# KiCad board PC110.kicad_pcb (continued)
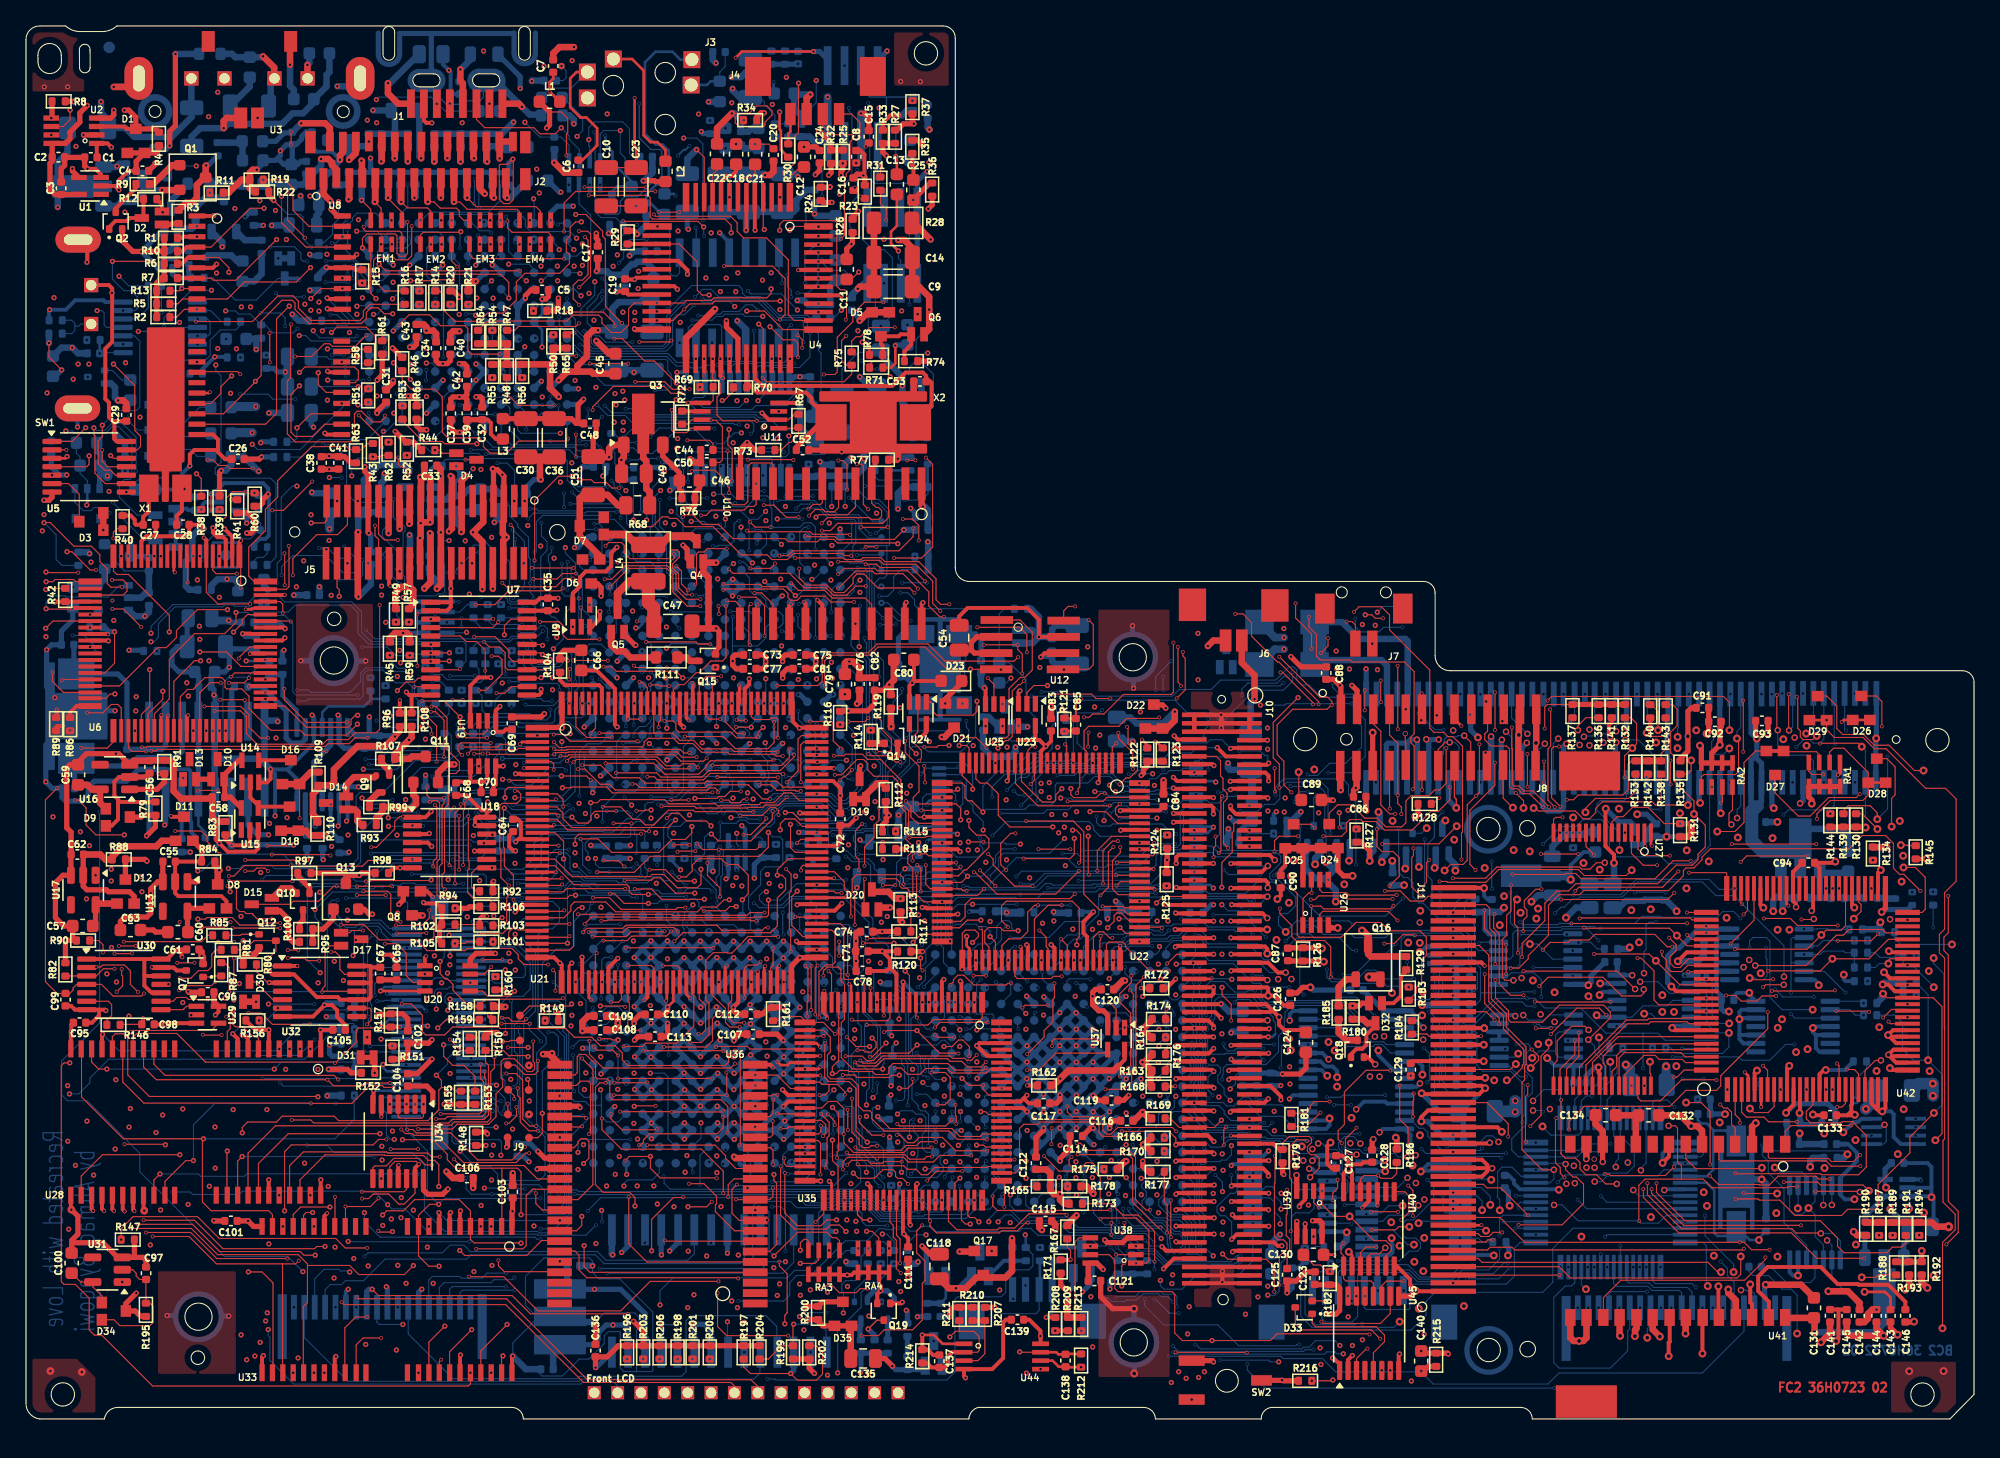
[diagram p0: board, top side]
## Routing (per net, layer and track width the routed paths; a pad name or vN(x,y) marks a point on that pad's centre or on a via; arc(x,y) is an arc through that point) (continued)
SD1: length 259.1
  FC2 w0.08: U36.19 57.29,23.3 57.54,23.55 57.54,24.59 v3(57.56,24.61) ; v3(140.25,26.93) 140.83,26.93 141.15,26.61 U42.21 ; v1(67.27,26.49) 66.67,26.49 66.5,26.32 64,26.32 63.81,26.51 v3(62.91,26.51) ; 109.93,36.48 111.95,36.48 112.67,35.76 112.67,32.16 113.8,31.03 113.8,30.04 115.37,28.47 115.37,27.37 115.25,27.25 115.25,27.06 114.29,26.1 v2(114.06,26.1) ; U22.47 71.99,38.35 72.34,38.7 72.34,39.64 72.8,40.1 80.42,40.1 v3(80.78,40.46) ; v3(61.18,26.47) 61.16,26.47
  FC2 w0.2: 61.16,26.47 60.01,26.47 U35.34
  FC2 w0.3: v1(59.6,46.71) 59.64,46.67 U21.95
  FC1 w0.08: v3(140.25,26.93) 140.25,27.63 140,27.88 140,29.44 137.9,31.54 v2(137.62,31.54) ; v1(83.04,46.11) 83.04,44.19 82.28,43.43 81.11,43.43 80.77,43.09 80.77,40.47 v3(80.78,40.46) ; v3(62.91,26.51) 62.57,26.17 61.89,26.17 ; 61.89,26.17 61.48,26.17 v3(61.18,26.47) ; 61.89,26.17 61.89,24.94 62.63,24.2 62.63,23.66 62.15,23.18 60.97,23.18 59.54,24.61 v3(57.56,24.61)
  IC1 w0.08: v1(83.04,46.11) 83.04,46.97 82.65,47.36 74.61,47.36 74.32,47.65 71.85,47.65 71.43,47.23 60.12,47.23 v1(59.6,46.71)
  IC2 w0.08: v1(67.27,26.49) 65.21,26.49 64.7,27 60.31,27 58.88,28.43 58.88,42.89 56.76,45.01 56.76,46.57 57.5,47.31 59,47.31 v1(59.6,46.71)
  IC4 w0.08: v1(59.6,46.71) 59.59,46.72 59.59,47.49 59.74,47.64 59.74,52.46 58.99,53.21 58.99,62.99 58.79,63.19 58.79,64.26 59.44,64.91 59.44,70.51 56.76,73.19 v1(56.76,75.61)
  BC1 w0.08: v1(67.27,26.49) 68.93,26.49 v7(69.25,26.81) ; 118.84,28.63 118.35,28.63 118.01,28.29 115.87,28.29 115.56,27.98 115.56,27.44 115.46,27.34 115.46,26.94 114.62,26.1 v2(114.06,26.1) 114.06,26.92 112.69,28.29 112.2,28.29 111.66,28.83 v7(111.19,28.83) 109.51,28.83 109.1,29.24 109.1,30.69 109.15,30.74 109.15,33.38 108.76,33.77 108.41,33.77 107.26,34.92 105.14,34.92 103.63,36.43 102.37,36.43 101.87,36.93 101.87,39.76 101.08,40.55 101.08,43.3 100.55,43.83 96.67,43.83 96.4,44.1 95.42,44.1 95.04,44.48 95.04,47.25 94.31,47.98 v7(93.64,47.98) ; 118.84,28.63 119.14,28.63 119.31,28.8 119.8,28.8 120.31,28.29 123.12,28.29 123.17,28.34 125.56,28.34 125.79,28.57 125.79,28.88 126.01,29.1 127,29.1 v7(127.56,28.54) ; 118.84,28.63 118.83,28.62 118.83,23.23 v7(118.8,23.2) ; v7(129.55,28.55) 129.55,30.11 128.99,30.67 128.99,35.97 129.32,36.3 v7(132.76,36.3) ; v7(69.18,27.88) 69.18,28.56 69.13,28.61 v7(69.13,29.41) ; v7(56.43,49.05) 56.43,49.67 56.65,49.89 57.74,49.89 58.5,49.13 59.15,49.13 59.37,48.91 59.37,47.76 59.6,47.53 v1(59.6,46.71) ; v1(56.76,75.61) 56.77,75.6 v7(56.77,72.71)
  BC2 w0.08: v7(69.25,26.81) 69.25,27.16 69.18,27.23 v7(69.18,27.88) ; v1(83.04,46.11) 83.04,46.76 83.78,47.5 84.96,47.5 85.08,47.38 87.86,47.38 88.03,47.21 88.66,47.21 89.1,47.65 91,47.65 91.18,47.47 91.87,47.47 92.38,47.98 v7(93.64,47.98) ; v7(129.55,28.55) 127.57,28.55 v7(127.56,28.54) ; v2(137.62,31.54) 135.27,31.54 134.33,32.48 134.33,36.83 134.06,37.1 133.02,37.1 132.76,36.84 v7(132.76,36.3) ; U49.4 56.79,72.73 v7(56.77,72.71) ; U74.L1 69.16,29.44 v7(69.13,29.41)
SD2: length 257.7
  FC2 w0.08: U35.35 61.14,25.96 61.32,25.78 61.85,25.78 ; U36.21 57.41,24.9 57.49,24.98 v3(57.88,24.98) ; v3(65.02,27.9) 65.18,27.9 v1(66.25,28.97) ; v3(129.7,18.73) 130.36,18.07 133.47,18.07 133.51,18.03 134.28,18.03 134.96,18.71 137.86,18.71 138.08,18.49 v3(138.92,18.49) ; v1(58.49,46.73) 59.05,46.73 59.61,46.17 U21.94 ; v1(73.55,38.44) 72.5,38.44 71.91,37.85 U22.48 ; 61.85,25.78 61.85,25.26 61.55,24.96 v3(61.13,24.96) ; 61.85,25.78 62.51,25.78 63.07,25.22 v3(63.07,24.99) ; v2(127.87,24.38) 129.03,24.38 129.72,23.69 v3(129.72,19.61) ; U42.19 140.15,24.31 139.88,24.04 v3(139.5,24.04)
  FC1 w0.08: v2(116.47,39.33) 116.82,38.98 116.82,38.38 115.36,36.92 111.34,36.92 111.16,36.74 109.62,36.74 109.45,36.91 109.45,37.44 109.74,37.73 v3(109.93,37.73) ; v3(63.07,24.99) 63.07,24.71 63.38,24.4 63.84,24.4 64.16,24.72 64.16,26.18 65.02,27.04 v3(65.02,27.9) ; v3(57.88,24.98) 61.11,24.98 v3(61.13,24.96) ; v3(129.7,18.73) 129.7,19.59 v3(129.72,19.61) ; v3(139.5,24.04) 138.96,23.5 138.96,18.53 v3(138.92,18.49)
  IC1 w0.08: v2(127.87,24.38) 126.63,23.14 119,23.14 117.63,24.51 v4(116.08,24.51)
  IC2 w0.08: v1(73.55,38.44) 73.62,38.37 73.62,33.33 70.7,30.41 v1(70.7,30.04) ; v1(57.86,75.55) 57.91,75.55 61.66,71.8 64.01,71.8 64.53,71.28 64.53,69.46 64.93,69.06 64.93,50.75 64.83,50.65 64.83,49.75 64.71,49.63 64.71,46.9 v1(64.6,46.79)
  IC3 w0.08: v1(70.7,30.04) 70.7,29.48 69.68,28.46 66.91,28.46 66.9,28.45 66.85,28.45 66.33,28.97 v1(66.25,28.97)
  IC4 w0.08: v1(66.25,28.97) 66.25,28.42 66.64,28.03 68.54,28.03 69.07,28.56 69.07,31.74 68.39,32.42 68.39,35.89 67.8,36.48 67.8,37.34 67,38.14 67,40.96 65.21,42.75 65.21,45.31 64.6,45.92 v1(64.6,46.79)
  BC1 w0.08: v7(108.86,37.05) 108.86,38.17 v7(109.57,38.88) ; v1(58.49,46.73) 58.49,47.85 58.62,47.98 58.62,48.69 57.79,49.52 v7(56.78,49.52) ; v7(101.17,32.5) 101.17,34.78 100.23,35.72 98.69,35.72 97.86,36.55 97.86,40.14 v7(96.12,41.88) ; v7(74.18,41.25) 73.88,40.95 73.88,38.77 v1(73.55,38.44) ; v7(56.84,71.51) 57.35,72.02 57.35,73.65 57.25,73.75 57.25,74.94 v1(57.86,75.55) ; v2(116.47,39.33) 115.75,39.33 115.6,39.48 114.44,39.48 114.08,39.84 111.23,39.84 v7(110.71,40.36) ; v7(105.98,34.24) 106.06,34.16 106.06,32.08 105.7,31.72 104.06,31.72 103.88,31.54 v7(103.88,31.08) 104.56,31.08 105.86,29.78 105.86,28.62 106.33,28.15 110.86,28.15 v7(111.19,27.82) 110.76,27.39 110.76,26.51 110.99,26.28 111.36,26.28 111.54,26.1 111.54,25.16 113.62,23.08 114.89,23.08 115.24,23.43 115.24,23.85 115.9,24.51 v4(116.08,24.51)
  BC2 w0.08: U49.5 56.2,71.74 56.42,71.51 v7(56.84,71.51) ; v7(108.86,37.05) 108.44,37.05 108.24,37.25 106.25,37.25 105.92,36.92 105.92,34.3 v7(105.98,34.24) ; v7(103.88,31.08) 102.46,32.5 v7(101.17,32.5) ; v7(96.12,41.88) 96.12,41.89 96.87,42.64 96.87,43.55 96.61,43.81 92.09,43.81 91.63,44.27 91.63,44.73 91.93,45.03 91.93,46.79 91.57,47.15 89.3,47.15 88.91,46.76 88.91,44.29 88.66,44.04 87.18,44.04 85.84,42.7 83.33,42.7 83.16,42.53 80.88,42.53 80.16,43.25 76.28,43.25 74.28,41.25 v7(74.18,41.25) ; v4(116.08,24.51) 116.08,24.55 116.91,25.38 117.97,25.38 118.2,25.15 U67.1 ; 71.3,29.44 71.3,29.44 v1(70.7,30.04) ; v7(110.71,40.36) 110.2,39.85 110.2,39.51 v7(109.57,38.88) ; v1(58.49,46.73) 59.09,46.73 59.54,46.28 60.13,46.28 60.32,46.09 63.19,46.09 63.89,46.79 v1(64.6,46.79)
  BC2 w0.4: v7(56.78,49.52) 56.78,49.78 U61.L15
SD3: length 444.5
  FC2 w0.08: v3(45.61,28.01) 45.2,28.42 43.98,28.42 v3(43.72,28.68) ; U35.36 58.89,25.46 57.85,26.5 v3(56.17,26.5) ; v3(52.87,26.23) 52.86,26.24 v3(45.61,26.24) ; v3(139.49,27.39) 139.65,27.23 U42.18 ; v1(68.33,36.74) 68.95,37.35 U22.49 ; 109.93,11.08 118.09,11.08 v3(118.1,11.09) ; U21.93 59.8,45.67 59.23,46.24 58.47,46.24 58.1,45.87 v1(58.1,45.4) ; v3(134.57,33.89) 134.53,33.85 132.9,33.85 v2(132.77,33.98)
  FC1 w0.08: v3(118.1,11.09) 118.1,11.05 119.93,9.22 126.23,9.22 127.83,10.82 131.68,10.82 132.82,11.96 135.15,11.96 135.82,12.63 135.82,16.38 136.42,16.98 137.86,16.98 138.35,17.47 138.35,18.34 137.97,18.72 137.97,22.39 138.41,22.83 138.41,23.67 139.64,24.9 139.64,26.05 139.49,26.2 v3(139.49,27.39) 139.49,29.05 137.78,30.77 137.43,30.77 137.02,31.17 137.02,33.35 135.75,34.62 135.17,34.62 134.57,34.02 v3(134.57,33.89) ; v3(45.61,26.24) v3(45.61,28.01) ; v1(39.79,31.37) 39.79,31.07 39.69,30.97 39.69,30.32 39.79,30.22 39.79,29.24 40.02,29.01 43,29.01 43.33,28.68 v3(43.72,28.68) ; v3(52.87,26.23) 55.9,26.23 v3(56.17,26.5)
  IC1 w0.08: v1(39.79,31.37) 39.27,31.37 39.04,31.14 30.88,31.14 27.69,34.33 23.48,34.33 22.45,35.36 16.98,35.36 16.15,36.19 16.15,37.8 16.26,37.91 37.89,37.91 38.63,37.17 43.05,37.17 44.02,36.2 65.15,36.2 65.48,36.53 66.3,36.53 66.67,36.16 67.76,36.16 v1(68.33,36.74)
  IC2 w0.08: v1(68.33,36.74) 68.75,36.74 69.44,36.04 69.44,35.32 69.03,34.91 67.21,34.91 66.94,34.64 63.71,34.64 60.29,38.06 60.29,42.2 58.1,44.39 v1(58.1,45.4)
  IC4 w0.08: v1(59.42,85.46) 60.11,84.77 60.11,65.79 61.3,64.6 61.3,56.24 61.01,55.95 61.01,41.91 60.56,41.46 59.03,41.46 58.83,41.66 58.83,44.67 v1(58.1,45.4)
  BC1 w0.08: v7(98.15,45.68) 97.75,46.08 v7(97.75,47.53) ; v7(116.29,21.3) 116.29,21.86 115.28,22.87 v7(115.27,22.87) ; v7(98.72,48.34) v7(98.72,49.66) ; v7(132.06,38.58) 132.06,38.28 v7(134.03,36.31) ; v7(55.61,86.93) 55.24,86.93 54.88,87.29 54.58,87.29 53.68,86.39 53.13,86.39 52.52,85.78 52.52,82.15 52.7,81.97 52.7,80.45 52.46,80.21 52.46,79.46 52.69,79.23 52.7,79.23 52.7,76.19 53.11,75.78 53.3,75.78 55.52,73.56 v7(55.52,72.72) ; v7(111.19,29.84) 111.44,30.09 111.44,31.94 110.72,32.66 110.72,33.14 110.89,33.31 111.77,33.31 111.97,33.11 113.69,33.11 113.91,33.33 113.91,35.56 113.17,36.3 113.17,37.28 ; v7(70.77,32.41) 70.77,33.35 71.13,33.71 71.13,34.9 70.79,35.24 v7(70.79,36.9) 69.21,36.9 68.98,37.13 68.73,37.13 v1(68.33,36.74) ; v7(76.92,48.07) 76.92,47.6 77.06,47.46 77.06,43.42 76.61,42.97 v7(76.61,41.23) 76.6,41.22 v7(76.6,40.41) ; v7(115.08,38.28) 115.08,38.25 114.11,37.28 113.17,37.28 ; v7(76.08,48.4) 76.08,49.26 76.63,49.81 76.63,52.08 76.42,52.29 76.42,55.07 77.05,55.7 v7(77.46,55.7) ; v1(58.1,45.4) 58.08,45.4 57.85,45.63 57.85,48.46 57.43,48.88 v7(57.01,48.88) ; v7(106.07,40.11) 106.08,40.1 109.17,40.1 110.01,39.26 110.01,38.08 110.81,37.28 113.17,37.28
  BC2 w0.08: v7(132.06,38.58) 131.53,39.11 130.7,39.11 130.25,38.66 125.94,38.66 125.87,38.73 124.46,38.73 123.92,38.19 118.09,38.19 117.99,38.09 115.27,38.09 v7(115.08,38.28) ; v7(134.03,36.31) 134.03,35.5 134.1,35.43 134.1,34.14 133.82,33.86 133.3,33.86 133.18,33.98 v2(132.77,33.98) ; v7(55.52,72.72) 55.53,72.73 55.55,72.73 ; v7(115.27,22.87) 115.27,23.24 115.41,23.38 115.41,25.75 114.37,26.79 112.21,26.79 111.76,27.24 111.76,29.73 111.65,29.84 v7(111.19,29.84) ; v7(106.07,40.11) 104.71,38.75 99.66,38.75 96.87,41.54 96.87,42.26 97.1,42.49 97.1,43.51 98.15,44.56 v7(98.15,45.68) ; v7(77.46,55.7) 88.3,55.7 88.82,56.22 91.3,56.22 92.02,56.94 96.26,56.94 97.28,57.96 97.64,57.96 97.89,57.71 97.89,56.93 98.26,56.56 98.83,56.56 99.77,55.62 102.16,55.62 102.42,55.36 102.42,53.84 102.88,53.38 102.88,51.76 101.65,50.53 100.42,50.53 99.48,49.59 98.79,49.59 v7(98.72,49.66) ; v7(76.08,48.4) 76.41,48.07 v7(76.92,48.07) ; v7(55.61,86.93) 55.84,86.7 58.18,86.7 v1(59.42,85.46) ; v7(57.01,48.88) 57.01,49.17 57.22,49.38 57.22,49.83 57.13,49.92 57.13,50.69 56.37,51.45 ; v7(98.72,48.34) 98.15,48.34 97.75,47.94 v7(97.75,47.53) ; U74.M1 70.52,30.71 70.75,30.94 70.75,32.39 v7(70.77,32.41) ; v7(76.61,41.23) 77.66,41.23 78.47,42.04 83.87,42.04 83.98,42.15 86.51,42.15 87.05,42.69 87.05,43.42 87.49,43.86 88.88,43.86 89.15,44.13 89.15,46.49 89.31,46.65 U59.28 ; v7(70.79,36.9) 70.83,36.94 70.83,39.65 71.62,40.44 76.57,40.44 v7(76.6,40.41)
SD4: length 353.8
  FC2 w0.08: 109.93,12.38 111.84,12.38 112.15,12.07 129.56,12.07 130.31,11.32 v2(130.56,11.32) ; v3(57.97,46.55) 57.97,46.87 57.71,47.13 57.33,47.13 56.7,46.5 v3(55.02,46.5) ; v3(54.06,22.06) 54.06,24.07 53.53,24.6 45.15,24.6 44.97,24.78 44.97,26.01 44.82,26.16 44.82,26.21 44.02,26.21 43.87,26.36 43.87,27.33 43.11,28.09 42.64,28.09 42.46,27.91 42.46,26.68 42.28,26.5 U36.26 ; v1(72.91,36.72) 73.36,37.17 73.36,37.41 73.1,37.67 72.36,37.67 72.12,37.43 72.12,35.34 72.1,35.32 v3(72.1,34.64) ; v1(55.86,53.3) 55.85,53.31 v3(54.7,53.31) ; U35.39 61.3,23.96 61.81,24.47 62.46,24.47 62.99,23.94 v3(62.99,21.95) 62.99,21.29 63.75,20.54 67.61,20.54 67.95,20.87 69.71,20.87 v3(69.76,20.92) ; v3(137.84,17.54) 141.2,17.54 v4(141.26,17.49)
  FC1 w0.08: v3(137.84,17.54) 136.83,18.55 136.83,20.79 137.47,21.43 137.47,22.37 138.17,23.07 138.17,24.17 139.15,25.15 v3(139.15,25.39) ; v3(55.02,46.5) 55.02,47.93 54.7,48.25 v3(54.7,53.31) ; v3(62.99,21.95) 62.13,21.95 61.77,22.31 59.74,22.31 58.56,21.13 56.52,21.13 55.59,22.06 v3(54.06,22.06) ; v3(60.91,45.17) 60.91,45.43 60.08,46.26 58.26,46.26 v3(57.97,46.55) ; v3(72.1,34.64) 72.57,34.17 72.57,33.43 71.85,32.71 71.85,31.75 71.38,31.28 71.38,29.82 71.19,29.63 71.19,28 71.33,27.86 71.33,26.05 70.85,25.57 70.57,25.57 69.93,24.93 69.93,23.44 69.76,23.27 v3(69.76,20.92)
  IC2 w0.08: v1(55.86,53.3) 56.44,53.88 60.25,53.88 62,52.13 62,47.22 63.52,45.7 68.63,45.7 70.47,43.86 70.47,41.02 72.95,38.54 72.95,38.05 72.96,38.05 73.39,37.62 73.39,37.07 73.04,36.72 v1(72.91,36.72) ; v2(130.56,11.32) 130.56,11.37 131.2,12.01 131.2,13.76 134.15,16.71 137.35,16.71 138.13,17.49 v4(141.26,17.49)
  IC4 w0.08: v1(55.89,69.94) 56.42,69.42 56.42,53.86 v1(55.86,53.3)
  BC1 w0.08: v7(88.36,50.92) 88.08,50.92 87.25,50.09 87.25,49.46 87.04,49.25 86.74,49.25 86.28,48.79 v7(86.28,44.9) ; v7(130.23,29.18) 130.23,31.45 132.17,33.39 133.65,33.39 133.93,33.11 v7(134.73,33.11) ; v7(113.95,53.72) 113.95,53.71 114.54,53.12 114.54,50.22 116.64,48.12 116.64,47.16 119.55,44.25 119.55,43.83 117.12,41.4 117.12,35.09 116.41,34.38 116.02,34.38 115.62,33.98 v7(115.62,32.41) ; v7(88.13,44.91) 88.39,44.65 v7(90.13,44.65) ; v7(55.81,71.5) 55.81,70.95 55.89,70.87 v1(55.89,69.94) ; v7(74.44,44.96) 74.44,44.22 74.51,44.15 74.51,42.58 73.36,41.43 73.36,39.54 72.94,39.12 72.94,37.94 73.25,37.63 73.25,37.06 v1(72.91,36.72) 72.91,35 73.27,34.64 73.27,33.07 74.21,32.13 v7(74.21,29.41) ; v7(106.02,61.01) 106.02,56.89 106.65,56.26 113.18,56.26 113.95,55.49 v7(113.95,54.42) ; v7(95.01,51.1) 95.01,53.4 93.66,54.75 v7(93.66,55.76) ; v7(97.19,57.23) 99.31,57.23 100.41,58.33 101.36,58.33 102.4,59.37 v7(102.4,61.68) ; v7(137.71,32.52) 138.45,32.52 139.22,31.75 139.22,19.51 141.24,17.49 v4(141.26,17.49) ; v7(124.55,27.02) 124.55,26.52 122.05,24.02 v7(122.05,21.19)
  BC2 w0.08: v7(102.4,61.68) 102.4,61.06 102.81,60.65 104.21,60.65 104.57,61.01 v7(106.02,61.01) ; v7(93.66,55.76) 93.66,56.26 94.11,56.71 96.36,56.71 96.88,57.23 v7(97.19,57.23) ; v7(95.01,51.1) 94.57,51.1 94.49,51.02 90.51,51.02 90.49,51.04 88.86,51.04 88.74,50.92 v7(88.36,50.92) ; 124.57,29.73 125.7,29.73 126.25,29.18 v7(130.23,29.18) ; 124.57,29.73 124.53,29.73 124.55,29.71 v7(124.55,27.02) ; 124.57,29.73 121.69,29.73 119.75,31.67 116.97,31.67 116.23,32.41 v7(115.62,32.41) 113.17,32.41 111.73,30.97 R378.1 ; v7(113.95,54.42) v7(113.95,53.72) ; 73.84,29.46 73.89,29.41 v7(74.21,29.41) ; v1(55.86,53.3) 55.86,53.48 56.37,53.99 ; U67.63 119.64,20.7 120.13,21.19 v7(122.05,21.19) ; v7(55.81,71.5) 55.17,71.5 54.9,71.78 U49.7 ; v7(137.71,32.52) 135.32,32.52 v7(134.73,33.11) ; v7(88.13,44.91) 86.29,44.91 v7(86.28,44.9) 82.73,44.9 82.24,45.39 82.24,45.68 82.23,45.68 81.88,46.03 75.51,46.03 v7(74.44,44.96)
SD5: length 309.3
  FC2 w0.08: v3(53.95,26.71) 53.98,26.68 v3(53.98,24.95) v3(45.28,24.95) ; 60,23.51 57.89,23.51 v3(57.86,23.54) ; v3(57.01,46.28) 57.01,46.21 55.83,45.03 v3(55.27,45.03) ; 109.93,13.63 112.43,13.63 112.6,13.8 v3(112.99,13.8) ; v3(59.38,44.37) 59.68,44.67 U21.91
  FC2 w0.2: U22.52 72.67,36.25 72.46,36.46 v1(72.46,37.19)
  FC1 w0.08: v3(53.95,26.71) 53.57,27.09 52.87,27.09 52.63,27.33 52.63,36.83 54.18,38.38 54.45,38.38 55.74,39.67 55.74,40.27 56.55,41.08 56.55,41.96 55.27,43.24 v3(55.27,45.03) ; v2(131.53,11.32) 131.53,13 130.05,14.48 117.81,14.48 117.13,13.8 v3(112.99,13.8) ; v3(53.98,24.95) 56.44,24.95 56.79,24.6 56.79,22.94 57.17,22.56 57.63,22.56 57.86,22.79 v3(57.86,23.54) ; v3(138.65,25.39) 138.65,25.91 139.14,26.4 139.14,27.74 136.69,30.19 136.69,33.19 135.8,34.08 v4(135.41,34.08) ; v1(57.02,48.37) 57.02,47.87 56.78,47.63 56.78,46.51 v3(57.01,46.28) 57.01,45.88 56.74,45.61 56.74,44.97 57.02,44.69 59.06,44.69 v3(59.38,44.37) ; v3(45.28,24.95) 45.21,24.88 41.14,24.88 v3(41.12,24.9)
  IC1 w0.08: v1(72.46,37.19) 72.68,37.41 73.14,37.41 74.6,35.95 90.33,35.95 90.68,36.3 94.21,36.3 94.85,36.94 95.72,36.94 96.31,37.53 v2(97.03,37.53)
  IC2 w0.08: v1(57.02,48.37) 57.09,48.3 59.83,48.3 62.71,45.42 68.42,45.42 69.72,44.12 69.72,30.05 68.97,29.3 68.35,29.3 68.12,29.07 68.12,28.52 68.34,28.3 69.67,28.3 71.27,29.9 71.84,29.9 v1(71.93,29.99)
  IC4 w0.08: v1(71.93,29.99) 71.93,30.75 71.52,31.16 71.52,36.25 v1(72.46,37.19) ; v1(57.02,48.37) 57.02,51.31 56.47,51.86 56.47,52.66 56.27,52.86 55.74,52.86 55.42,53.19 55.42,53.84 56.19,54.61 56.19,64.99 55.49,65.69 55.49,69.09 55.09,69.49 55.09,75.97 v1(55.11,75.99)
  BC1 w0.08: v7(54.23,73.42) 54.23,74.01 v7(53.08,75.16) ; v7(115.4,28.54) 115.4,28.96 115.92,29.48 115.92,32.1 116.18,32.36 v7(116.18,32.92) 116.57,33.31 117.12,33.31 117.57,33.76 117.57,37.65 117.78,37.86 v7(117.78,38.99) ; v7(129.33,15.67) 129.08,15.67 128.72,16.03 128.72,20.32 128.19,20.85 125.2,20.85 123.62,19.27 123.11,19.27 122.94,19.44 122.94,19.59 122.09,20.44 v7(121.21,20.44) ; v7(102.19,38.1) 104.18,38.1 v7(104.61,37.67)
  BC2 w0.08: v4(135.41,34.08) 135.41,36.46 131.54,40.33 130.17,40.33 129.11,41.39 124.13,41.39 122.96,40.22 119.69,40.22 119.54,40.07 119.11,40.07 118.48,39.44 118.23,39.44 v7(117.78,38.99) ; v7(121.21,20.44) 121.06,20.59 119.88,20.59 119.49,20.2 114.96,20.2 114.44,20.72 114.44,21.59 115.59,22.74 115.59,24.7 116.02,25.13 116.02,26.29 115.4,26.91 v7(115.4,28.54) ; v1(55.11,75.99) 54.57,75.99 53.74,75.16 v7(53.08,75.16) ; 71.3,30.71 71.3,30.71 71.91,30.1 71.91,30.01 v1(71.93,29.99) ; U59.33 91.33,44.15 91.89,43.59 96.43,43.59 96.65,43.37 96.65,42.87 95.8,42.02 95.8,41.67 95.93,41.54 96.48,41.54 97.8,40.22 97.8,39.56 97.19,38.95 96.73,38.95 96.48,38.7 96.48,38.06 97.01,37.53 v2(97.03,37.53) 97.03,37.55 97.86,38.38 101.91,38.38 v7(102.19,38.1) ; 112.03,32.83 112.04,32.84 115.14,32.84 115.22,32.92 v7(116.18,32.92) ; v2(131.53,11.32) 131.53,11.92 129.33,14.12 v7(129.33,15.67) ; 54.25,72.73 54.23,72.75 v7(54.23,73.42) ; R377.1 111.65,31.95 111.66,31.96 111.7,31.96 112.03,32.29 112.03,34.76 111.34,35.45 111.34,37.13 110.82,37.65 104.63,37.65 v7(104.61,37.67) ; 57.64,48.91 57.64,48.61 57.4,48.37 v1(57.02,48.37)
SD6: length 318.2
  FC2 w0.08: v3(112.11,14.94) 112.1,14.93 ; 60,23.01 61.27,23.01 61.6,22.68 61.6,22.01 v3(61.39,21.8) ; v1(58.89,45.82) 58.89,44.03 59.25,43.67 U21.89 ; v3(63.89,20.92) 64.11,20.71 67.41,20.71 67.77,21.07 68.6,21.07 68.89,21.36 v3(70.09,21.36) ; U42.14 137.65,24.22 137.13,23.7 137.13,23.14 137.45,22.82 139.8,22.82 139.89,22.91 140.69,22.91 141.75,21.85 141.75,19.42 141.15,18.82 138.3,18.82 138.22,18.9 131.69,18.9 v3(131.67,18.92) ; v3(44.36,23.16) 44.36,22.3 45.87,20.79 52.02,20.79 53.71,19.1 v3(53.71,17.4) ; U36.30 43.04,23.3 v3(43.15,23.19) ; v3(69.76,26.7) 70.81,26.7 71.19,26.32 71.19,24.62 70.78,24.21 v3(70.22,24.21) ; v3(69.06,34.57) 68.91,34.72 v1(68.91,35.53) ; v4(118.59,19.64) 118.59,19.21 119.16,18.64 119.43,18.64 119.97,18.1 119.97,16.61 118.32,14.96 v3(114.97,14.96)
  FC2 w0.2: 112.1,14.93 109.93,14.93
  FC1 w0.08: v3(73.17,35.35) 70.41,35.35 70.23,35.53 v1(68.91,35.53) ; v3(63.89,20.92) 63.62,20.92 63.48,21.06 61.62,21.06 61.39,21.29 v3(61.39,21.8) 59.67,21.8 58.82,20.95 57.54,20.95 55.94,19.35 55.94,17.59 55.75,17.4 v3(53.71,17.4) ; v3(44.36,23.16) 44.33,23.19 v3(43.15,23.19) ; v3(69.06,34.57) 69.34,34.29 69.34,33.74 70.49,32.59 70.49,30.56 70.3,30.37 70.3,29.35 69.76,28.81 v3(69.76,26.7) ; v3(112.11,14.94) 112.12,14.95 114.96,14.95 v3(114.97,14.96) ; v3(131.67,18.92) 131.67,26.65 133.4,28.38 133.4,34.13 v2(133.62,34.35) ; v3(70.09,21.36) 70.22,21.49 v3(70.22,24.21)
  IC2 w0.08: v1(68.91,35.53) 67.16,35.53 64.17,38.52 62.69,38.52 60.88,40.33 60.88,44.89 59.95,45.82 v1(58.89,45.82)
  IC3 w0.08: v4(115.2,33.98) 115.68,34.46 123.07,34.46 123.46,34.85 126.94,34.85 128.29,33.5 133.29,33.5 133.62,33.83 v2(133.62,34.35)
  IC4 w0.08: v4(118.59,19.64) 118.59,30.97 117.9,31.66 117.86,31.66 117.79,31.73 116.92,31.73 115.2,33.45 v4(115.2,33.98) ; v1(56.73,87.76) 57.86,87.76 58.54,87.09 58.54,76.89 58.32,76.66 58.32,71.96 59.64,70.64 59.64,64.31 59.97,63.99 59.97,56.49 60.39,56.06 60.39,46.59 59.63,45.82 v1(58.89,45.82)
  BC1 w0.08: v4(115.2,33.98) 115.2,33.37 114.75,32.92 111.21,32.92 v7(111.19,32.94) ; v7(71.32,41.54) 68.64,41.54 68,40.9 68,39.24 68.25,38.99 68.25,38 67.91,37.66 67.91,36.51 68.89,35.53 v1(68.91,35.53) 69.74,35.53 69.87,35.4 69.87,31.46 70.34,30.99 v7(71.95,30.99) ; v7(53.52,73.43) 53.52,73.88 52.12,75.28 52.12,78.77 51.86,79.03 51.86,80.59 52.1,80.83 52.1,81.72 51.79,82.03 v7(51.79,85.03) ; v7(95.02,43.24) 95.02,42.45 95.32,42.15 95.88,42.15 96.1,42.37 97.6,42.37 98.73,41.24 v7(98.73,38) ; v7(58.3,48.47) 58.3,47.96 58.02,47.68 58.02,46.51 58.27,46.26 58.47,46.26 58.89,45.84 v1(58.89,45.82) ; v1(56.73,87.76) 56.73,85.79 v7(56.38,85.44)
  BC2 w0.08: v7(71.95,30.99) 72.14,30.99 72.4,30.73 72.57,30.73 ; v7(58.3,48.47) 58.3,48.8 58.22,48.88 58.22,49.6 57.64,50.18 ; v7(71.32,41.54) 71.54,41.54 71.71,41.37 71.71,40.93 71.87,40.77 78.02,40.77 78.51,41.26 78.95,41.26 79.07,41.14 82.1,41.14 82.18,41.22 86.61,41.22 87.43,42.04 87.43,43.34 87.74,43.65 91.35,43.65 91.68,43.32 94.94,43.32 v7(95.02,43.24) ; v4(118.59,19.64) 118.53,19.7 116.29,19.7 ; v7(53.52,73.43) 53.52,72.81 U49.9 ; v7(111.19,32.94) 111.55,32.94 111.79,33.18 111.79,34.37 111.12,35.04 111.12,36.9 110.58,37.44 105.07,37.44 104.72,37.09 102.32,37.09 102.07,37.34 99.93,37.34 99.27,38 v7(98.73,38) ; v7(56.38,85.44) 55.96,85.86 55.45,85.86 54.93,85.34 53.68,85.34 53.48,85.14 52.84,85.14 52.73,85.03 v7(51.79,85.03)
SD7: length 224.4
  FC2 w0.08: v3(53.71,23.76) 53.61,23.66 49.75,23.66 v3(49.74,23.65) 49.71,23.68 v3(45.77,23.68) ; 60,22.51 58.73,22.51 58.7,22.48 58.7,22.47 58.6,22.38 v3(58.12,22.38) ; v3(73.52,37.83) 73.67,37.68 U22.54 ; U21.88 58.72,43.17 57.87,42.32 v1(57.87,41.9) 58.24,41.9 58.52,41.63 58.52,40.8 57.87,40.15 57.87,37.98 57.36,37.47 50.6,37.47 v3(49.94,36.81)
  FC1 w0.08: v3(53.71,23.76) 53.81,23.66 55.26,23.66 56.04,24.44 56.45,24.44 56.59,24.3 56.59,22.78 57,22.38 v3(58.12,22.38) ; v3(45.77,23.68) 44.96,22.87 41.92,22.87 41.12,22.07 v3(41.12,21.7) ; v3(49.94,36.81) 49.94,36.45 49.85,36.36 49.85,24.46 49.75,24.36 49.75,23.66 v3(49.74,23.65) ; v1(72.91,39.66) 72.91,38.09 73.17,37.83 v3(73.52,37.83)
  IC1 w0.08: v1(57.87,41.9) 58.31,42.34 60.51,42.34 61.81,41.04 63.27,41.04 64.11,40.2 71.78,40.2 72.32,39.66 v1(72.91,39.66)
  IC2 w0.08: v1(56.98,57.04) 56.98,56.14 55.25,54.41 55.25,52.68 55.44,52.49 57.27,52.49 57.44,52.32 57.44,50.69 54.99,48.24 54.99,47.15 56.08,46.06 56.08,44.25 57.87,42.46 v1(57.87,41.9)
  IC4 w0.08: v1(56.75,84.97) 57.61,84.97 57.89,84.69 57.89,77.79 57.07,76.96 56.49,76.96 56.22,76.69 56.22,73.24 58.89,70.56 58.89,65.01 57.59,63.71 57.59,57.65 v1(56.98,57.04)
  BC1 w0.08: v7(116.3,19.2) 113.75,19.2 113.18,19.77 112.11,19.77 111.19,20.69 v7(111.19,25.72) ; v7(92.23,42.34) 91.76,42.34 91.57,42.15 90.31,42.15 ; v7(71.22,32.08) 71.22,32.28 71.06,32.44 71.06,33.24 71.34,33.52 71.34,37.34 v7(71.31,37.37) ; v7(51.33,84.68) 51.33,82.83 51.49,82.67 51.49,81.97 51.91,81.55 51.91,80.93 51.69,80.71 51.69,78.92 51.93,78.68 51.93,75.09 52.89,74.13 v7(52.89,73.43) ; v7(86.29,42.48) 86.62,42.15 90.31,42.15 ; 90.31,42.15 90.57,42.15 90.57,42.99 90.41,43.15 v7(90.13,43.15) ; v7(108.07,31.38) 108.07,32.13 107.82,32.38 107.39,32.38 107.09,32.68 107.09,33.29 v7(107.15,33.35) ; v7(76.28,41.8) 76.28,39.68 v7(76.3,39.66) ; v7(100.21,34.64) 98.55,34.64 97.69,35.5 97.69,38.5 96.84,39.35 96.35,39.35 96.1,39.6 95.6,39.6 95.12,40.08 95.12,40.67 95.04,40.75 v7(95.04,41.95)
  BC2 w0.08: v7(111.19,25.72) 111.19,25.49 110.75,25.05 109.71,25.05 109.25,25.51 109.25,25.9 109.04,26.11 109.04,26.77 109.1,26.83 109.1,29.85 108.87,30.08 108.87,30.62 108.11,31.38 v7(108.07,31.38) ; v7(95.04,41.95) 92.62,41.95 v7(92.23,42.34) ; v7(71.31,37.37) 71.31,37.7 71.2,37.81 71.2,39.09 71.77,39.66 v1(72.91,39.66) v7(76.3,39.66) ; v7(76.28,41.8) 76.69,42.21 83.77,42.21 84.04,42.48 v7(86.29,42.48) ; 71.3,31.98 71.22,32.07 v7(71.22,32.08) 71.3,32 ; v1(56.75,84.97) 55.38,84.97 55.21,85.14 53.83,85.14 53.65,84.96 53.13,84.96 52.85,84.68 v7(51.33,84.68) ; v1(56.98,57.04) 56.98,54.66 57.64,54 57.64,53.99 ; v7(52.89,73.43) 52.89,72.79 U49.10 ; v7(107.15,33.35) 104.82,33.35 104.6,33.57 102.81,33.57 102.69,33.69 100.55,33.69 100.21,34.03 v7(100.21,34.64)
SD8: length 209.8
  FC2 w0.08: v3(116.69,43.55) 116.7,43.54 v3(119.56,43.54) ; v3(118.5,18.61) 118.18,18.93 118.18,19.37 117.81,19.74 117.81,23.12 v3(117.88,23.19) ; v3(116.73,40.82) 116.29,40.82 115.41,39.94 115.41,39.42 115.61,39.22 115.61,38.71 115.33,38.43 v3(115.33,37.59) ; v3(117.45,29.66) 119.45,31.66 121.19,31.66 v3(121.73,31.12)
  FC1 w0.08: v3(117.88,23.19) 117.78,23.29 117.78,29.33 v3(117.45,29.66) ; v3(115.33,37.59) 114.91,37.17 110.02,37.17 v3(109.93,37.08) ; v3(121.73,31.12) 121.73,33.92 120.33,35.32 120.33,41.6 119.47,42.46 119.47,43.14 119.56,43.23 v3(119.56,43.54) ; v3(116.69,43.55) 116.73,43.51 v3(116.73,40.82) ; v2(130.46,22.85) 130.5,22.81 130.5,21.18 126.41,17.09 121.18,17.09 119.66,18.61 v3(118.5,18.61) ; v2(135.26,30.8) 135.53,30.53 135.53,27.94 135.15,27.56 v3(135.15,25.39) ; v3(56.17,22.5) 56.63,22.04 58.31,22.04 59.28,23.01 63.85,23.01 63.96,22.9 64.32,22.9 v1(64.74,23.32)
  IC2 w0.08: v1(77.03,19.89) 75.78,21.14 73.94,21.14 72.3,22.78 70.94,22.78 70.05,23.67 68.04,23.67 67.81,23.9 66.99,23.9 65.88,22.79 65.27,22.79 v1(64.74,23.32) 61.31,23.32 61.02,23.61 58.21,23.61 57.74,24.08 57.74,32.41 57.92,32.59 57.92,40.6 v1(57.25,41.27)
  IC3 w0.08: v1(64.74,23.32) 64.74,23.31 65.45,22.6 70.15,22.6 70.69,23.14 91.39,23.14 91.75,23.5 92.32,23.5 92.61,23.21 93.62,23.21 94.14,22.69 96.48,22.69 97.04,22.13 103.19,22.13 103.58,22.52 104.93,22.52 105.13,22.32 109.47,22.32 110.25,23.1 128.65,23.1 128.86,22.89 130.42,22.89 v2(130.46,22.85)